# Altium PCB main - Copy.PcbDoc (part 5 of 14) (continued)
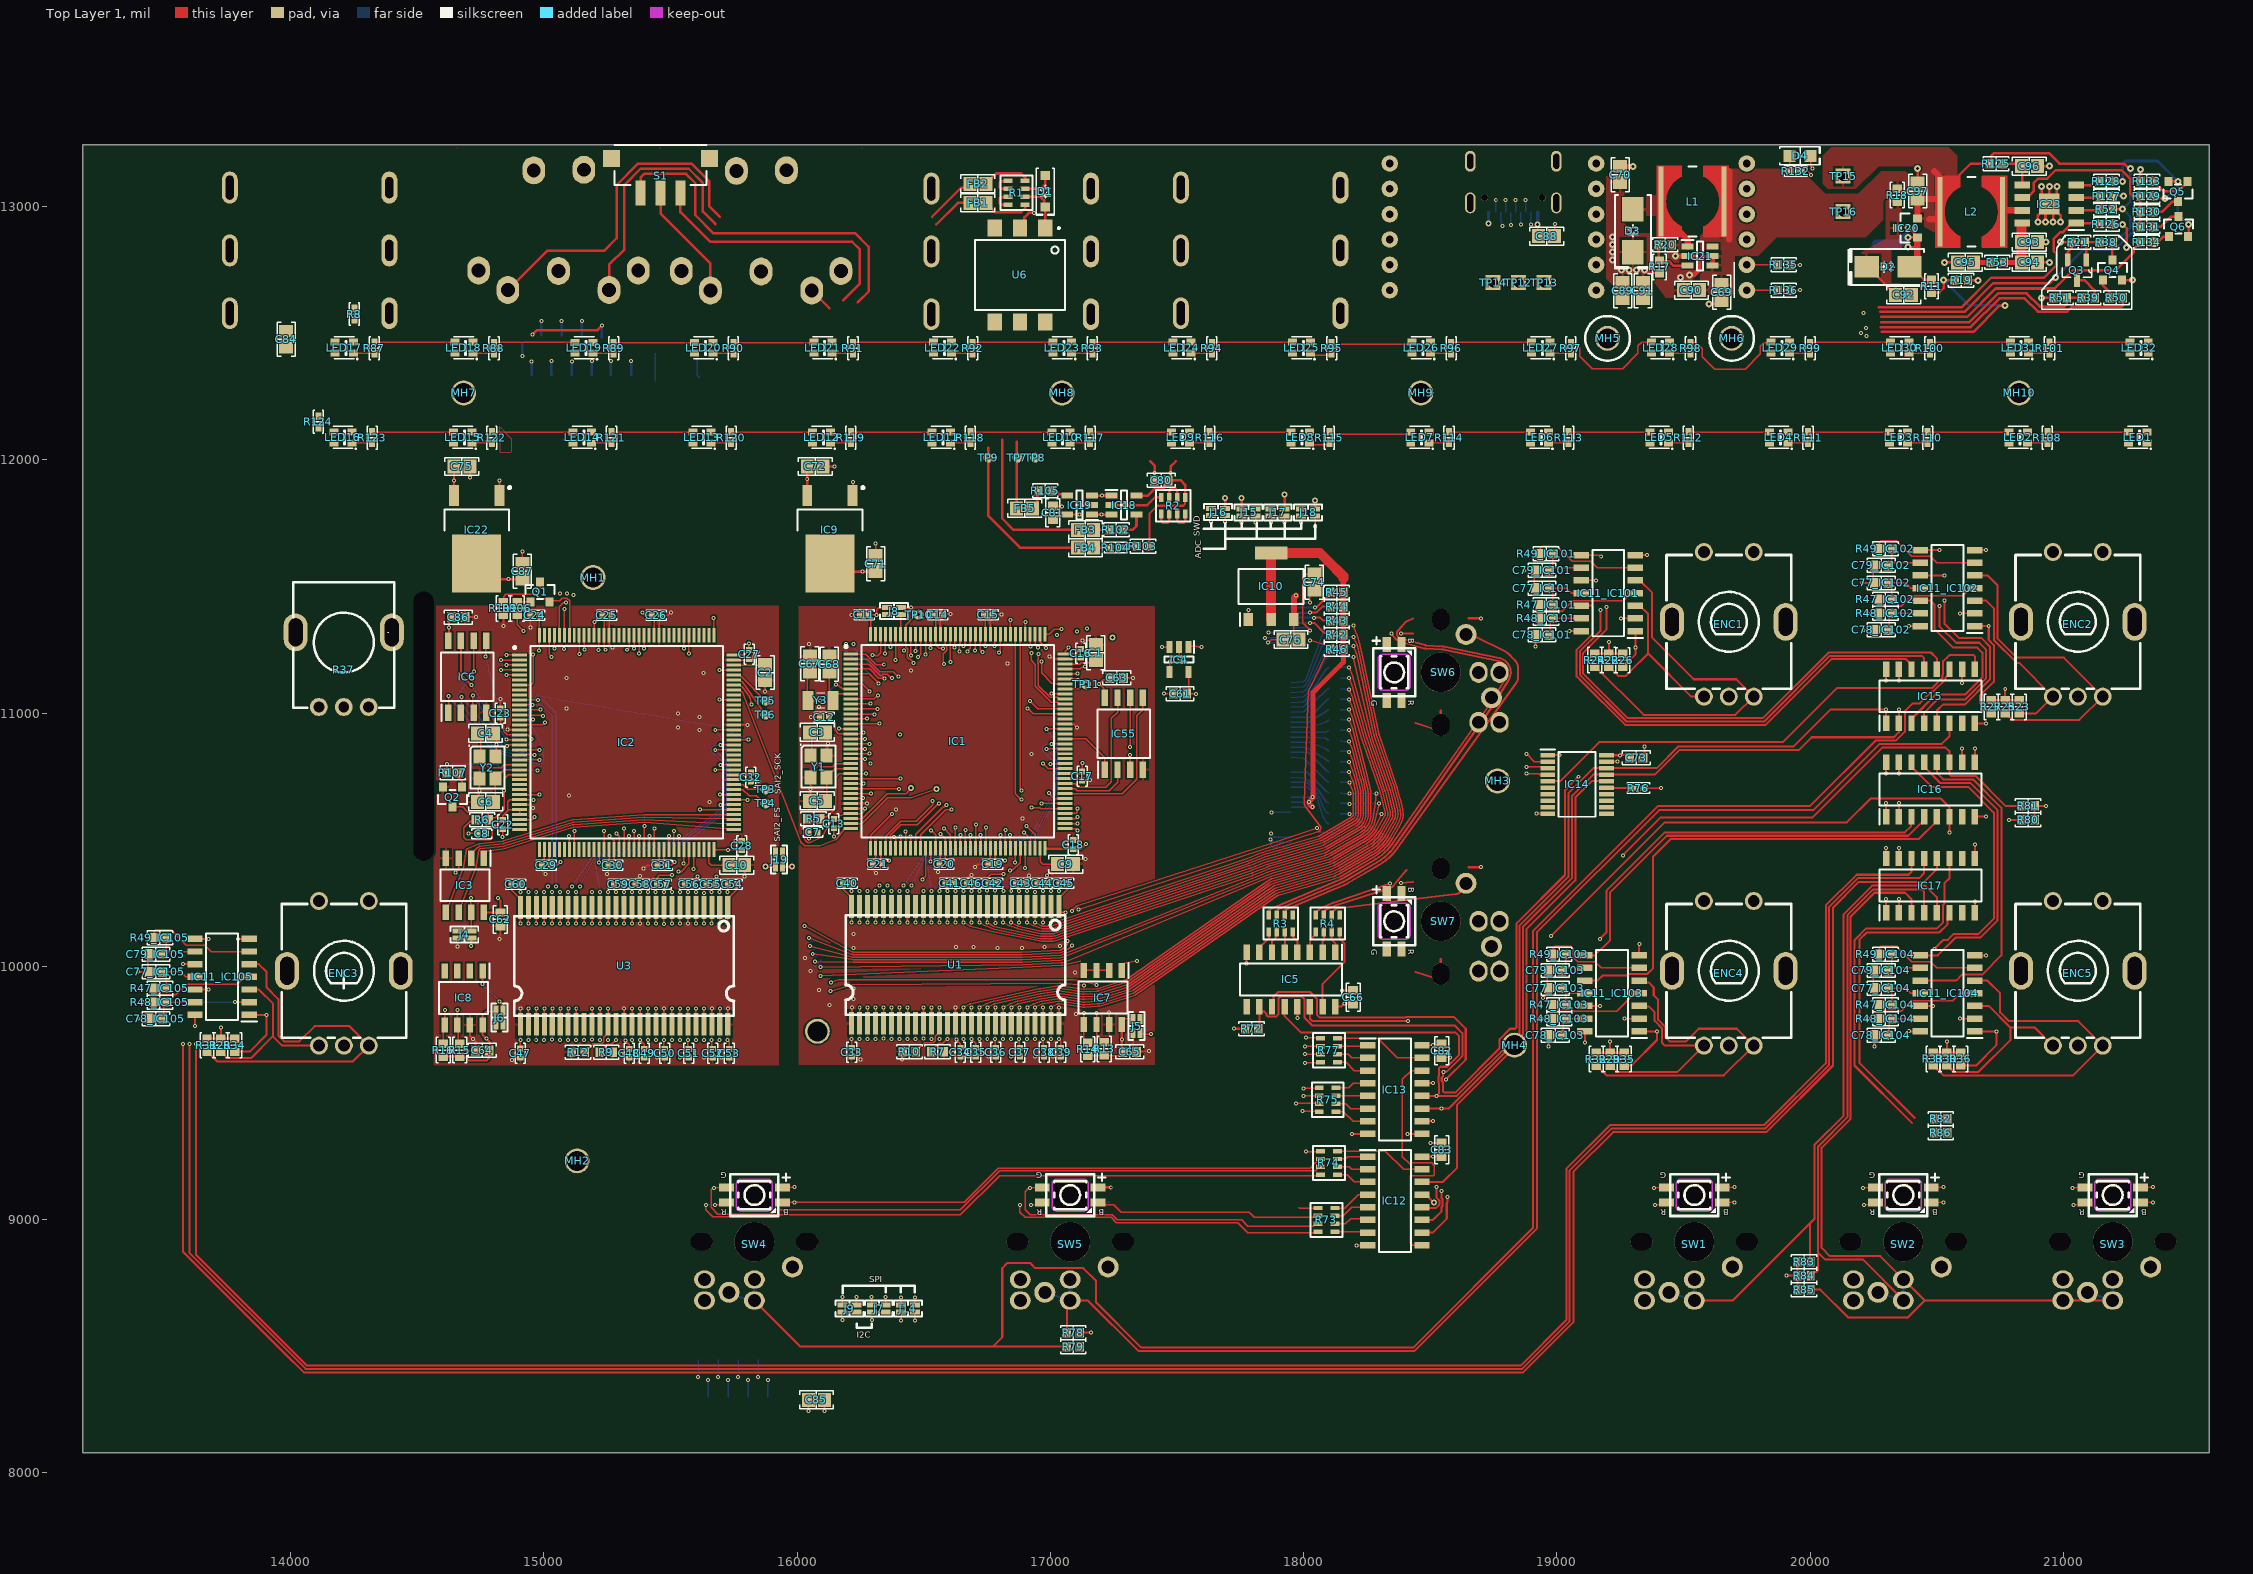
[diagram p0: Top Layer 1 view]
## Nets (pads, with @x,y where several pads share a name; then routed paths per layer and width w, separated by ;. In a path a pad name is that pad's centre, name@x,y a point inside that pad or via, vN(x,y) a via of type N, cw(c..) or ccw(c..) an arc to the next point about the centre after c; other vN are vias at no path point) (continued)
  Bottom 6+gnd w5: v1(14617.7,10798.29) 14814.28,10798.29 14838.75,10773.82 v1(14975,10773.82)
AUDIO_SWD.CLK_1: IC2.109 J15.1 J20.B8 | length 4560.9
  Top Layer 1 w5: v1(15670.35,11376.29) 15670.8,11375.84 15670.8,11307.83 IC2.109@15671.25,11307.38 ; v1@17755,11752.72 J15.1@17755,11778.82
  Unused w5: v1(17755.12,11752.6) 17781.42,11778.9 18463.98,11778.9 18590.37,11905.29 18590.37,12744.22 18689.39,12843.24 18689.39,12948.89 18756.42,13015.92 18756.42,13024.41 v1@18758.62,13026.61
  Layer 3 w5: v1(15670.35,11376.29) 15692.82,11353.82 16833.76,11353.82 16899.69,11287.89 17029.49,11287.89 17511.4,11769.8 17735.83,11769.8 17753.03,11752.6 v1(17755.12,11752.6)
  Bottom 6+gnd w5: J20.B8@18758.91,12978.4 v1@18758.91,13026.32
  other v1: 18758.48,13026.75
AUDIO_SWD.IO_1: IC2.105 J16.1 J20.B7 | length 4729.9
  Top Layer 1 w5: v1(15693.33,11170.26) 15693.43,11170.16 15749.42,11170.16 IC2.105@15749.52,11170.06 ; J16.1@17634.88,11780.04 17634.88,11753.94 v1(17635,11753.82)
  Unused w5: v1(17635,11753.82) 17670.17,11788.98 18459.93,11788.98 18580.37,11909.43 18580.37,12748.36 18679.39,12847.38 18679.39,12953.03 18742.35,13015.99 18742.35,13032.37 18755.04,13045.05 18779.55,13045.05 v1(18797.85,13026.75)
  Layer 3 w5: v1(15693.33,11170.26) 15693.33,11327.15 15709.63,11343.44 16829.99,11343.44 16895.54,11277.89 17033.63,11277.89 17511.54,11755.81 17633.01,11755.81 v1(17635,11753.82)
  Bottom 6+gnd w5: J20.B7@18798.28,12978.4 v1@18798.28,13026.32
AUDIO_SWD.SWO_1: IC2.133 J20.B6 | length 5240.2
  Top Layer 1 w5: IC2.133@15198.81,11307.38 15198.81,11358 v1(15200,11359.19)
  Unused w5: v1(15200,11359.19) 15225.23,11359.19 15230.6,11353.82 16715.47,11353.82 16803.38,11265.91 16809.37,11265.91 16832.7,11242.58 16881.24,11242.58 16995,11128.82 17058.44,11128.82 17100.77,11171.15 17125.39,11171.15 17135.7,11160.83 17139.84,11160.83 17160,11180.99 17160,11188.82 17161.69,11190.51 17161.69,11298.26 17582.42,11718.99 18474.84,11718.99 18620.37,11864.51 18620.37,12731.79 18753.32,12864.75 18753.32,12927.96 18778.78,12953.43 18834.4,12953.43 v1(18857.77,12930.05)
  Bottom 6+gnd w5: v1@18857.34,12930.49 J20.B6@18857.34,12978.4
B_ENC1_1: IC11_IC101.8 IC15.13 | length 2174.1
  Top Layer 1 w5: IC11_IC101.8@19095.43,11623.82 19167.09,11623.82 19172.09,11618.82 v1(19175,11618.82)
  Top Layer 1 w8: v1(19171.97,11407.3) 19171.97,11324.92 19090.7,11243.65 19090.7,11150.93 19109.3,11132.33 19274.7,10966.93 19300.34,10966.93 19818.64,10966.93 20078.04,11226.33 20440,11226.33 20450,11216.33 IC15.13@20450,11173.82
  Layer 3 w5: v1(19171.97,11407.3) 19171.97,11615.79 v1(19175,11618.82)
B_ENC2_1: IC11_IC102.8 IC15.4 | length 1056
  Top Layer 1 w8: IC11_IC102.8@20435,11643.82 v1(20510,11643.82) ; IC15.4@20450,10959.25 20450,11002.33 20501.49,11053.82 20611.55,11053.82 20695,11137.27 20695,11250.79 20667.9,11277.89 20575.93,11277.89 20510,11343.82 v1(20510,11423.82)
  Layer 3 w8: v1(20510,11423.82) v1(20510,11643.82)
B_ENC3_1: IC11_IC103.8 IC16.4 | length 1687.1
  Top Layer 1 w8: IC11_IC103.8@19110.43,10043.82 19150,10043.82 19210,10103.82 19210,10292.1 19433.77,10515.88 20386.65,10515.88 20435.8,10565.02 20441.2,10565.02 20450,10573.82 IC16.4@20450,10591.53
B_ENC4_1: IC11_IC104.8 IC16.13 | length 1175.7
  Top Layer 1 w8: IC11_IC104.8@20435,10043.82 20503.79,10043.82 20573.79,10113.82 20671.21,10113.82 20740,10182.61 20740,10617.14 20633.32,10723.82 20514.57,10723.82 20450,10788.39 IC16.13@20450,10806.1
B_ENC5_1: IC11_IC105.8 IC17.13 | length 9944.4
  Top Layer 1 w8: v1(13600.75,9693.82) 13600.75,8869.69 14059.62,8410.82 18862.38,8410.82 19050,8598.43 19050,9195.03 19215.79,9360.82 19823.62,9360.82 20075,9612.2 20075,10235.43 20188.38,10348.82 20430,10348.82 20450,10368.82 IC17.13@20450,10426.1 ; IC11_IC105.8@13622.72,10108.82 v1(13675,10108.82)
  Layer 2 w8: v1(13600.75,9693.82) 13600.75,10034.57 v1(13675,10108.82)
BA0_6: IC1.89 U1.20 U2.20 | length 2533.8
  Top Layer 1 w5: v1(16435.78,10174.13) U1.20@16435.78,10235.97 ; v1@16436.02,10174.38 U1.20@16436.02,10236.22 ; v1@16985.16,10859.29 IC1.89@17057.76,10859.29
  Layer 3 w5: v1(16435.78,9713.5) 16435.78,9805.11 cw(c16440.78,9805.12) 16437.22,9808.63 16450.44,9821.89 ; v1(16435.78,10174.13) ccw(c16440.74,10174.74) 16436.75,10171.73 16450.9,10152.93 ; v1@16435.78,10176.85 16435.78,10175.35 cw(c16440.74,10174.74) 16437.18,10178.25 16450.44,10191.56 ccw(c16446.9,10195.09) 16451.9,10195 ; 16451.9,9825.38 16451.9,10150.02 ; 16451.9,10195.04 v1@16451.9,10316.84 ; 16450.44,9821.89 ccw(c16446.9,9825.42) 16451.9,9825.33 ; 16450.44,9821.89 ccw(c16446.9,9825.42) 16451.9,9825.33 ; 16450.44,9821.89 ccw(c16446.9,9825.42) 16451.9,9825.33 ; 16450.44,9821.89 ccw(c16446.9,9825.42) 16451.9,9825.33 ; 16450.44,9821.89 ccw(c16446.9,9825.42) 16451.9,9825.33 ; 16450.44,9821.89 ccw(c16446.9,9825.42) 16451.9,9825.33 ; 16450.44,9821.89 ccw(c16446.9,9825.42) 16451.9,9825.33 ; 16450.44,9821.89 ccw(c16446.9,9825.42) 16451.9,9825.33 ; 16450.44,9821.89 ccw(c16446.9,9825.42) 16451.9,9825.33 ; 16450.44,9821.89 ccw(c16446.9,9825.42) 16451.9,9825.33 ; 16450.44,9821.89 ccw(c16446.9,9825.42) 16451.9,9825.33 ; 16450.44,9821.89 ccw(c16446.9,9825.42) 16451.9,9825.33 ; 16450.44,9821.89 ccw(c16446.9,9825.42) 16451.9,9825.33 ; 16450.44,9821.89 ccw(c16446.9,9825.42) 16451.9,9825.33 ; 16450.44,9821.89 ccw(c16446.9,9825.42) 16451.9,9825.33 ; 16450.44,9821.89 ccw(c16446.9,9825.42) 16451.9,9825.33 ; 16450.9,10152.94 cw(c16446.9,10149.93) 16451.9,10150.02 ; 16450.9,10152.94 cw(c16446.9,10149.93) 16451.9,10150.02 ; 16450.9,10152.94 cw(c16446.9,10149.93) 16451.9,10150.02 ; 16450.9,10152.94 cw(c16446.9,10149.93) 16451.9,10150.02 ; 16450.9,10152.94 cw(c16446.9,10149.93) 16451.9,10150.02 ; 16450.9,10152.94 cw(c16446.9,10149.93) 16451.9,10150.02 ; 16450.9,10152.94 cw(c16446.9,10149.93) 16451.9,10150.02 ; 16450.9,10152.94 cw(c16446.9,10149.93) 16451.9,10150.02 ; 16450.9,10152.94 cw(c16446.9,10149.93) 16451.9,10150.02 ; 16450.9,10152.94 cw(c16446.9,10149.93) 16451.9,10150.02 ; 16450.9,10152.94 cw(c16446.9,10149.93) 16451.9,10150.02 ; 16450.9,10152.94 cw(c16446.9,10149.93) 16451.9,10150.02 ; 16450.9,10152.94 cw(c16446.9,10149.93) 16451.9,10150.02 ; 16450.9,10152.94 cw(c16446.9,10149.93) 16451.9,10150.02 ; 16450.9,10152.94 cw(c16446.9,10149.93) 16451.9,10150.02 ; 16450.9,10152.94 cw(c16446.9,10149.93) 16451.9,10150.02
  Bottom 6+gnd w5: v1@16436.02,9713.75 U2.20@16436.02,9775.59 ; v1(16451.61,10320.11) 16504.1,10424.96 ; v1(16985.08,10859.21) 17020.46,10815.7 ; 16504.1,10424.96 cw(c16526.79,10413.6) 16523.38,10438.74 ; 16504.1,10424.96 cw(c16526.79,10413.6) 16523.38,10438.74 ; 16504.1,10424.96 cw(c16526.79,10413.6) 16523.38,10438.74 ; 16504.1,10424.96 cw(c16526.79,10413.6) 16523.38,10438.74 ; 16504.1,10424.96 cw(c16526.79,10413.6) 16523.38,10438.74 ; 16504.1,10424.96 cw(c16526.79,10413.6) 16523.38,10438.74 ; 16504.1,10424.96 cw(c16526.79,10413.6) 16523.38,10438.74 ; 16504.1,10424.96 cw(c16526.79,10413.6) 16523.38,10438.74 ; 16504.1,10424.96 cw(c16526.79,10413.6) 16523.38,10438.74 ; 16504.1,10424.96 cw(c16526.79,10413.6) 16523.38,10438.74 ; 16504.1,10424.96 cw(c16526.79,10413.6) 16523.38,10438.74 ; 16504.1,10424.96 cw(c16526.79,10413.6) 16523.38,10438.74 ; 16504.1,10424.96 cw(c16526.79,10413.6) 16523.38,10438.74 ; 16504.1,10424.96 cw(c16526.79,10413.6) 16523.38,10438.74 ; 16504.1,10424.96 cw(c16526.79,10413.6) 16523.38,10438.74 ; 16504.1,10424.96 cw(c16526.79,10413.6) 16523.38,10438.74 ; 16523.38,10438.74 16910.55,10492.07 ccw(c16907.09,10517.2) 16929.64,10505.57 17016.39,10673.8 ; 17016.39,10673.8 ccw(c16993.84,10685.43) 17019.16,10683.89 ; 17016.39,10673.8 ccw(c16993.84,10685.43) 17019.16,10683.89 ; 17016.39,10673.8 ccw(c16993.84,10685.43) 17019.16,10683.89 ; 17016.39,10673.8 ccw(c16993.84,10685.43) 17019.16,10683.89 ; 17016.39,10673.8 ccw(c16993.84,10685.43) 17019.16,10683.89 ; 17016.39,10673.8 ccw(c16993.84,10685.43) 17019.16,10683.89 ; 17016.39,10673.8 ccw(c16993.84,10685.43) 17019.16,10683.89 ; 17016.39,10673.8 ccw(c16993.84,10685.43) 17019.16,10683.89 ; 17016.39,10673.8 ccw(c16993.84,10685.43) 17019.16,10683.89 ; 17016.39,10673.8 ccw(c16993.84,10685.43) 17019.16,10683.89 ; 17016.39,10673.8 ccw(c16993.84,10685.43) 17019.16,10683.89 ; 17016.39,10673.8 ccw(c16993.84,10685.43) 17019.16,10683.89 ; 17016.39,10673.8 ccw(c16993.84,10685.43) 17019.16,10683.89 ; 17016.39,10673.8 ccw(c16993.84,10685.43) 17019.16,10683.89 ; 17016.39,10673.8 ccw(c16993.84,10685.43) 17019.16,10683.89 ; 17016.39,10673.8 ccw(c16993.84,10685.43) 17019.16,10683.89 ; 17019.16,10683.89 17026.1,10798.15 ; 17020.46,10815.7 cw(c17000.78,10799.69) 17026.1,10798.15 ; 17020.46,10815.7 cw(c17000.78,10799.69) 17026.1,10798.16 ; 17020.46,10815.7 cw(c17000.78,10799.69) 17026.1,10798.16 ; 17020.46,10815.7 cw(c17000.78,10799.69) 17026.1,10798.16 ; 17020.46,10815.7 cw(c17000.78,10799.69) 17026.1,10798.16
BA1_6: IC1.90 U1.21 U2.21 | length 2022.4
  Top Layer 1 w5: v1(16404.28,10174.13) U1.21@16404.28,10235.97 ; v1@16404.53,10174.38 U1.21@16404.53,10236.22 ; v1(17005.08,10878.44) 17005.34,10878.71 17057.49,10878.71 IC1.90@17057.6,10878.82
  Layer 3 w5: v1(16404.28,9713.5) 16404.28,9805.11 cw(c16409.28,9805.12) 16405.73,9808.63 16418.95,9821.89 ; v1(16404.28,10174.13) ccw(c16408.44,10176.92) 16404.37,10174.01 16419.48,10152.83 ; v1@16404.28,10179.83 16404.28,10179.7 cw(c16408.44,10176.92) 16404.86,10180.41 16418.95,10194.54 ; 16420.4,9825.38 16420.4,10150.02 ; v1@16420.4,10319.82 16420.4,10198.02 ; 16418.95,9821.89 ccw(c16415.4,9825.42) 16420.4,9825.33 ; 16418.95,9821.89 ccw(c16415.4,9825.42) 16420.4,9825.33 ; 16418.95,9821.89 ccw(c16415.4,9825.42) 16420.4,9825.33 ; 16418.95,9821.89 ccw(c16415.4,9825.42) 16420.4,9825.33 ; 16418.95,9821.89 ccw(c16415.4,9825.42) 16420.4,9825.33 ; 16418.95,9821.89 ccw(c16415.4,9825.42) 16420.4,9825.33 ; 16418.95,9821.89 ccw(c16415.4,9825.42) 16420.4,9825.33 ; 16418.95,9821.89 ccw(c16415.4,9825.42) 16420.4,9825.33 ; 16418.95,9821.89 ccw(c16415.4,9825.42) 16420.4,9825.33 ; 16418.95,9821.89 ccw(c16415.4,9825.42) 16420.4,9825.33 ; 16418.95,9821.89 ccw(c16415.4,9825.42) 16420.4,9825.33 ; 16418.95,9821.89 ccw(c16415.4,9825.42) 16420.4,9825.33 ; 16418.95,9821.89 ccw(c16415.4,9825.42) 16420.4,9825.33 ; 16418.95,9821.89 ccw(c16415.4,9825.42) 16420.4,9825.33 ; 16418.95,9821.89 ccw(c16415.4,9825.42) 16420.4,9825.33 ; 16418.95,9821.89 ccw(c16415.4,9825.42) 16420.4,9825.33 ; 16418.95,10194.54 ccw(c16415.4,10198.07) 16420.4,10197.98 ; 16418.95,10194.54 ccw(c16415.4,10198.07) 16420.4,10197.98 ; 16418.95,10194.54 ccw(c16415.4,10198.07) 16420.4,10197.98 ; 16418.95,10194.54 ccw(c16415.4,10198.07) 16420.4,10197.98 ; 16418.95,10194.54 ccw(c16415.4,10198.07) 16420.4,10197.98 ; 16418.95,10194.54 ccw(c16415.4,10198.07) 16420.4,10197.98 ; 16418.95,10194.54 ccw(c16415.4,10198.07) 16420.4,10197.98 ; 16418.95,10194.54 ccw(c16415.4,10198.07) 16420.4,10197.98 ; 16418.95,10194.54 ccw(c16415.4,10198.07) 16420.4,10197.98 ; 16418.95,10194.54 ccw(c16415.4,10198.07) 16420.4,10197.98 ; 16418.95,10194.54 ccw(c16415.4,10198.07) 16420.4,10197.98 ; 16418.95,10194.54 ccw(c16415.4,10198.07) 16420.4,10197.98 ; 16418.95,10194.54 ccw(c16415.4,10198.07) 16420.4,10197.98 ; 16418.95,10194.54 ccw(c16415.4,10198.07) 16420.4,10197.98 ; 16418.95,10194.54 ccw(c16415.4,10198.07) 16420.4,10197.98 ; 16418.95,10194.54 ccw(c16415.4,10198.07) 16420.4,10197.98 ; 16419.48,10152.83 cw(c16415.4,10149.93) 16420.4,10150.02 ; 16419.48,10152.83 cw(c16415.4,10149.93) 16420.4,10150.02 ; 16419.48,10152.83 cw(c16415.4,10149.93) 16420.4,10150.02 ; 16419.48,10152.83 cw(c16415.4,10149.93) 16420.4,10150.02 ; 16419.48,10152.83 cw(c16415.4,10149.93) 16420.4,10150.02 ; 16419.48,10152.83 cw(c16415.4,10149.93) 16420.4,10150.02 ; 16419.48,10152.83 cw(c16415.4,10149.93) 16420.4,10150.02 ; 16419.48,10152.83 cw(c16415.4,10149.93) 16420.4,10150.02 ; 16419.48,10152.83 cw(c16415.4,10149.93) 16420.4,10150.02 ; 16419.48,10152.83 cw(c16415.4,10149.93) 16420.4,10150.02 ; 16419.48,10152.83 cw(c16415.4,10149.93) 16420.4,10150.02 ; 16419.48,10152.83 cw(c16415.4,10149.93) 16420.4,10150.02 ; 16419.48,10152.83 cw(c16415.4,10149.93) 16420.4,10150.02 ; 16419.48,10152.83 cw(c16415.4,10149.93) 16420.4,10150.02 ; 16419.48,10152.83 cw(c16415.4,10149.93) 16420.4,10150.02 ; 16419.48,10152.83 cw(c16415.4,10149.93) 16420.4,10150.02
  Bottom 6+gnd w5: v1@16404.53,9713.75 U2.21@16404.53,9775.59 ; v1(16420.12,10320.11) 16497.57,10433.55 cw(c16526.79,10413.6) 16521.96,10448.64 16909.18,10501.97 ccw(c16907.09,10517.2) 16920.75,10510.16 17007.5,10678.38 ccw(c16993.84,10685.43) 17009.18,10684.49 17016.12,10798.76 ccw(c17000.78,10799.69) 17011.7,10810.51 16974.16,10848.39 cw(c16985.08,10859.21) 16982.26,10874.33 ; 16982.26,10874.32 v1@17005.05,10878.58 ; v1(17005.08,10878.44) v1@17005.08,10878.55
BA01_7: IC2.89 U3.20 U4.20 | length 2319.1
  Top Layer 1 w5: v1@15127.72,10170.19 U3.20@15127.72,10232.03 ; v1@15676.86,10855.1 IC2.89@15749.52,10855.1
  Layer 3 w5: v1(15127.48,9709.47) 15127.48,9803 15143.6,9819.12 15143.6,10147.74 15142.38,10149.03 15128.45,10167.54 cw(c15132.44,10170.55) v1(15127.48,10169.94) ; v1@15127.48,10171.16 cw(c15132.44,10170.55) 15128.88,10174.06 15142.14,10187.37 ccw(c15138.6,10190.9) 15143.6,10190.81 ; 15143.6,10190.85 v1@15143.6,10312.65
  Bottom 6+gnd w5: v1(15127.48,9709.47) 15127.48,9771.15 U4.20@15127.72,9771.4 ; v1@15143.07,10316.17 v1(15143.31,10315.92) 15195.8,10420.77 cw(c15218.49,10409.41) 15214.27,10434.43 15537.41,10489.38 ; v1@15676.53,10855.27 v1(15676.78,10855.02) 15715.48,10812.8 ; 15537.41,10489.38 ccw(c15533.16,10514.39) 15548.47,10494.16 ; 15537.41,10489.38 ccw(c15533.16,10514.39) 15548.47,10494.16 ; 15537.41,10489.38 ccw(c15533.16,10514.39) 15548.47,10494.16 ; 15537.41,10489.38 ccw(c15533.16,10514.39) 15548.47,10494.16 ; 15537.41,10489.38 ccw(c15533.16,10514.39) 15548.47,10494.16 ; 15537.41,10489.38 ccw(c15533.16,10514.39) 15548.47,10494.16 ; 15537.41,10489.38 ccw(c15533.16,10514.39) 15548.47,10494.16 ; 15537.41,10489.38 ccw(c15533.16,10514.39) 15548.47,10494.16 ; 15537.41,10489.38 ccw(c15533.16,10514.39) 15548.47,10494.16 ; 15537.41,10489.38 ccw(c15533.16,10514.39) 15548.47,10494.16 ; 15537.41,10489.38 ccw(c15533.16,10514.39) 15548.47,10494.16 ; 15537.41,10489.38 ccw(c15533.16,10514.39) 15548.47,10494.16 ; 15537.41,10489.38 ccw(c15533.16,10514.39) 15548.47,10494.16 ; 15537.41,10489.38 ccw(c15533.16,10514.39) 15548.47,10494.16 ; 15537.41,10489.38 ccw(c15533.16,10514.39) 15548.47,10494.16 ; 15537.41,10489.38 ccw(c15533.16,10514.39) 15548.47,10494.16 ; 15548.47,10494.16 15712.09,10617.94 ; 15712.09,10617.94 ccw(c15696.78,10638.17) 15722.15,10638.17 ; 15712.09,10617.94 ccw(c15696.78,10638.17) 15722.15,10638.17 ; 15712.09,10617.94 ccw(c15696.78,10638.17) 15722.15,10638.17 ; 15712.09,10617.94 ccw(c15696.78,10638.17) 15722.15,10638.17 ; 15712.09,10617.94 ccw(c15696.78,10638.17) 15722.15,10638.17 ; 15715.48,10812.8 cw(c15696.78,10795.65) 15722.15,10795.65 ; 15715.48,10812.8 cw(c15696.78,10795.65) 15722.15,10795.65 ; 15715.48,10812.8 cw(c15696.78,10795.65) 15722.15,10795.65 ; 15715.48,10812.8 cw(c15696.78,10795.65) 15722.15,10795.65 ; 15715.48,10812.8 cw(c15696.78,10795.65) 15722.15,10795.65 ; 15715.48,10812.8 cw(c15696.78,10795.65) 15722.15,10795.65 ; 15715.48,10812.8 cw(c15696.78,10795.65) 15722.15,10795.65 ; 15715.48,10812.8 cw(c15696.78,10795.65) 15722.15,10795.65 ; 15715.48,10812.8 cw(c15696.78,10795.65) 15722.15,10795.65 ; 15715.48,10812.8 cw(c15696.78,10795.65) 15722.15,10795.65 ; 15715.48,10812.8 cw(c15696.78,10795.65) 15722.15,10795.65 ; 15715.48,10812.8 cw(c15696.78,10795.65) 15722.15,10795.65 ; 15715.48,10812.8 cw(c15696.78,10795.65) 15722.15,10795.65 ; 15715.48,10812.8 cw(c15696.78,10795.65) 15722.15,10795.65 ; 15715.48,10812.8 cw(c15696.78,10795.65) 15722.15,10795.65 ; 15715.48,10812.8 cw(c15696.78,10795.65) 15722.15,10795.65 ; 15722.15,10638.17 15722.15,10795.65
BA11_7: IC2.90 U3.21 U4.21 | length 2339
  Top Layer 1 w5: v1@15096.23,10170.19 U3.21@15096.23,10232.03 ; v1@15697.01,10874.63 IC2.90@15749.3,10874.63
  Layer 3 w5: v1(15095.98,9709.47) 15095.98,9803 15112.1,9819.12 15112.1,10147.71 15110.93,10148.98 15096.07,10169.82 cw(c15100.14,10172.73) v1(15095.98,10169.94) ; v1@15095.98,10175.64 15095.98,10175.51 cw(c15100.14,10172.73) 15096.56,10176.22 15110.65,10190.35 ; 15112.1,10193.83 v1@15112.1,10315.63 ; 15110.65,10190.35 ccw(c15107.1,10193.88) 15112.1,10193.79 ; 15110.65,10190.35 ccw(c15107.1,10193.88) 15112.1,10193.79 ; 15110.65,10190.35 ccw(c15107.1,10193.88) 15112.1,10193.79 ; 15110.65,10190.35 ccw(c15107.1,10193.88) 15112.1,10193.79 ; 15110.65,10190.35 ccw(c15107.1,10193.88) 15112.1,10193.79 ; 15110.65,10190.35 ccw(c15107.1,10193.88) 15112.1,10193.79 ; 15110.65,10190.35 ccw(c15107.1,10193.88) 15112.1,10193.79 ; 15110.65,10190.35 ccw(c15107.1,10193.88) 15112.1,10193.79 ; 15110.65,10190.35 ccw(c15107.1,10193.88) 15112.1,10193.79 ; 15110.65,10190.35 ccw(c15107.1,10193.88) 15112.1,10193.79 ; 15110.65,10190.35 ccw(c15107.1,10193.88) 15112.1,10193.79 ; 15110.65,10190.35 ccw(c15107.1,10193.88) 15112.1,10193.79 ; 15110.65,10190.35 ccw(c15107.1,10193.88) 15112.1,10193.79 ; 15110.65,10190.35 ccw(c15107.1,10193.88) 15112.1,10193.79 ; 15110.65,10190.35 ccw(c15107.1,10193.88) 15112.1,10193.79 ; 15110.65,10190.35 ccw(c15107.1,10193.88) 15112.1,10193.79
  Bottom 6+gnd w5: v1(15095.98,9709.47) 15095.98,9771.15 U4.21@15096.23,9771.4 ; v1@15111.57,10316.17 v1(15111.82,10315.92) 15189.27,10429.36 ; v1@15696.53,10874.64 v1(15696.78,10874.39) 15673.96,10870.13 ccw(c15676.78,10855.02) 15666.49,10843.6 15707.06,10807.08 cw(c15696.78,10795.65) 15712.15,10795.65 15712.15,10638.17 ; 15189.27,10429.36 cw(c15218.49,10409.41) 15212.56,10444.28 ; 15189.27,10429.36 cw(c15218.49,10409.41) 15212.56,10444.28 ; 15189.27,10429.36 cw(c15218.49,10409.41) 15212.56,10444.28 ; 15189.27,10429.36 cw(c15218.49,10409.41) 15212.56,10444.28 ; 15189.27,10429.36 cw(c15218.49,10409.41) 15212.56,10444.28 ; 15189.27,10429.36 cw(c15218.49,10409.41) 15212.56,10444.28 ; 15189.27,10429.36 cw(c15218.49,10409.41) 15212.56,10444.28 ; 15189.27,10429.36 cw(c15218.49,10409.41) 15212.56,10444.28 ; 15189.27,10429.36 cw(c15218.49,10409.41) 15212.56,10444.28 ; 15189.27,10429.36 cw(c15218.49,10409.41) 15212.56,10444.28 ; 15189.27,10429.36 cw(c15218.49,10409.41) 15212.56,10444.28 ; 15189.27,10429.36 cw(c15218.49,10409.41) 15212.56,10444.28 ; 15189.27,10429.36 cw(c15218.49,10409.41) 15212.56,10444.28 ; 15189.27,10429.36 cw(c15218.49,10409.41) 15212.56,10444.28 ; 15189.27,10429.36 cw(c15218.49,10409.41) 15212.56,10444.28 ; 15189.27,10429.36 cw(c15218.49,10409.41) 15212.56,10444.28 ; 15212.56,10444.28 15535.73,10499.24 ccw(c15533.16,10514.39) 15542.43,10502.13 15706.05,10625.91 ; 15706.05,10625.91 ccw(c15696.78,10638.17) 15712.15,10638.17 ; 15706.06,10625.92 ccw(c15696.78,10638.17) 15712.15,10638.17 ; 15706.06,10625.92 ccw(c15696.78,10638.17) 15712.15,10638.17 ; 15706.06,10625.92 ccw(c15696.78,10638.17) 15712.15,10638.17 ; 15706.06,10625.92 ccw(c15696.78,10638.17) 15712.15,10638.17
BTN_1_1: IC11_IC101.12 IC15.14 | length 1885.5
  Top Layer 1 w8: IC11_IC101.12@19095.85,11424.24 19137.94,11424.24 19142.63,11419.55 19142.63,11314.98 19077.7,11250.05 19077.7,11145.55 19096.3,11126.95 19269.32,10953.93 19294.96,10953.93 19824.02,10953.93 20083.43,11213.33 20378.2,11213.33 20400,11191.54 IC15.14@20400,11173.82
BTN_1_N: IC15.6 R78.1 SW5.S2 | length 5618.6
  Top Layer 1 w8: R78.1@17065,8550.61 17065,8667.78 SW5.S2@17078.06,8680.84 17147.98,8680.84 17347,8481.82 18438,8481.82 18920.7,8964.52 18920.7,10134.12 19403.4,10616.82 20012.01,10616.82 20273.92,10878.73 20519.91,10878.73 20550,10908.82 IC15.6@20550,10959.25
  Bottom 6+gnd w10: SW5.S2@16978.06,8713.12 SW5.S2@17078.06,8680.84 SW5.S2@17078.06,8763.52
BTN_2_1: IC11_IC102.12 IC15.3 | length 849.2
  Top Layer 1 w8: IC15.3@20400,10959.25 20400,10976.97 20496.85,11073.82 20613.17,11073.82 20680,11140.65 20680,11238.82 20660,11258.82 20565,11258.82 20490,11333.82 20490,11428.82 20475,11443.82 IC11_IC102.12@20435,11443.82
BTN_3_1: IC11_IC103.12 IC16.3 | length 1872.2
  Top Layer 1 w8: IC11_IC103.12@19110.43,9843.82 v1(19170,9843.82) ; v1(19170,10108.82) 19195,10133.82 19195,10298.32 19425.56,10528.88 20373.78,10528.88 20398.61,10553.71 20398.61,10590.15 IC16.3@20400,10591.53
  Layer 3 w8: v1(19170,9843.82) v1(19170,10108.82)
BTN_4_1: IC11_IC104.12 IC16.14 | length 1398
  Top Layer 1 w8: IC16.14@20400,10806.1 20400,10788.39 20479.57,10708.82 20623.54,10708.82 20725,10607.36 20725,10188.82 20665,10128.82 20567.57,10128.82 20543.79,10105.03 20526.21,10105.03 v1(20490,10068.82) ; IC11_IC104.12@20435,9843.82 v1(20485,9843.82)
  Layer 3 w8: v1(20485,9843.82) 20485,10061.72 20490,10066.72 v1(20490,10068.82)
BTN_5_1: IC11_IC105.12 IC17.14 | length 9648.6
  Top Layer 1 w8: IC11_IC105.12@13622.72,9908.82 v1(13675,9908.82) ; v1(13626.5,9693.82) 13626.5,8862.32 14065,8423.82 18857,8423.82 19037,8603.82 19037,9200.42 19210.4,9373.82 19818.23,9373.82 20062,9617.59 20062,10240.82 20183,10361.82 20388,10361.82 20400,10373.82 IC17.14@20400,10426.1
  Layer 2 w8: v1(13626.5,9693.82) 13626.5,9695.31 13675,9743.82 v1(13675,9908.82)
BTN_DN_1: IC16.6 R80.1 SW7.S2 | length 2997.8
  Top Layer 1 w8: 18441.34,9978.22 18541.34,9945.94 18541.34,10028.61 ; v1(18977.44,10120.5) 19425.76,10568.82 20145,10568.82 20240,10663.82 20320,10663.82 20320.84,10662.98 20515.84,10662.98 20549.46,10629.36 20549.46,10592.08 IC16.6@20550,10591.53 v1(20550,10528.82) ; v1(20785,10578.82) R80.1@20835,10578.82
  Layer 3 w8: 18541.34,9945.94 18802.12,9945.94 18976.68,10120.5 v1(18977.44,10120.5) ; v1(20550,10528.82) 20630,10448.82 20685,10448.82 20785,10548.82 v1(20785,10578.82)
BTN_FRONT: IC1.42 J3.1 | length 3028.1
  Top Layer 1 w5: v1(16383.05,10510.98) 16383.05,10508.6 16389.05,10502.6 16389.05,10466.17 IC1.42@16388.94,10466.06
  Unused w5: v1(15609.29,8378.94) 15516.26,8393.9 cw(c15517.05,8398.84) 15513.54,8395.28 15435,8473.82 15435,9283.82 15515,9363.82 15717.43,9363.82 15925,9571.39 15925,10198.86 16227.31,10501.17 16227.31,10531.51 16250.58,10554.78 16367.82,10554.78 16383.05,10539.56 v1(16383.05,10510.98)
  Bottom 6+gnd w5: v1(15609.29,8378.94) 15609.29,8394.49 15609.41,8394.61 J3.1@15609.41,8446.46
BTN_PLAY_1: IC17.4 R84.1 SW2.S2 | length 2524.6
  Top Layer 1 w8: R84.1@20001.18,8778.82 20001.18,8780.12 20013.91,8792.85 20023.55,8792.85 20031.23,8800.53 20031.23,8869.87 ; 20030.85,8939.59 20030.85,9288.45 20147,9404.61 20147,10202.43 20248.38,10303.82 20440,10303.82 20450,10293.82 IC17.4@20450,10211.53 ; 20031.23,8939.2 20031.23,8869.87 ; SW2.S2@20367.72,8680.84 20367.72,8682.94 20207.39,8843.28 20057.82,8843.28 20031.23,8869.87
  Bottom 6+gnd w10: SW2.S2@20267.72,8713.12 SW2.S2@20367.72,8680.84 SW2.S2@20367.72,8763.52
BTN_REC_1: IC17.5 R83.1 SW1.S2 | length 2694.4
  Top Layer 1 w8: SW1.S2@19542.61,8680.84 19694.02,8680.84 20000,8986.82 ; R83.1@20001.18,8833.82 20000,8835 20000,8986.82 ; 20017,9003.82 20000,8986.82 ; 20017.85,9003.82 20017.85,9296.67 20132,9410.82 20132,10205.82 20245,10318.82 20455,10318.82 20500,10273.82 IC17.5@20500,10211.53
  Bottom 6+gnd w10: SW1.S2@19442.61,8713.12 SW1.S2@19542.61,8680.84 SW1.S2@19542.61,8763.52
BTN_STOP_1: IC17.3 R85.1 SW3.S2 | length 3647.3
  Top Layer 1 w8: R85.1@20001.18,8723.82 20040,8723.82 20150,8613.82 20385.37,8613.82 20452.39,8680.84 ; IC17.3@20400,10211.53 20400,10265.82 20375,10290.82 20253.77,10290.82 20160,10197.05 20160,9399.22 20045,9284.22 20045,8888.82 20077.54,8856.28 20276.62,8856.28 20452.06,8680.84 SW3.S2@21194.5,8680.84
  Bottom 6+gnd w10: SW3.S2@21094.5,8713.12 SW3.S2@21194.5,8680.84 SW3.S2@21194.5,8763.52
BTN_UP_1: IC16.11 R81.1 SW6.S2 | length 3050.3
  Top Layer 1 w8: 18441.34,10960.81 18541.34,10928.53 18541.34,11011.21 ; v1(19260,10438.82) 19410,10588.82 20010,10588.82 20285,10863.82 20535,10863.82 20550,10848.82 IC16.11@20550,10806.1 20550,10758.82 20557,10751.82 20652.92,10751.82 20770.92,10633.82 R81.1@20825,10633.82
  Layer 3 w8: 18541.34,10928.53 18541.34,10842.48 18795,10588.82 18911.14,10588.82 18913.01,10586.94 18926.99,10586.94 18928.86,10588.82 19110,10588.82 v1(19260,10438.82)
BTN_Y_1: IC15.11 R79.1 SW4.S2 | length 7595.6
  Top Layer 1 w8: SW4.S2@15831.38,8680.84 16013.4,8498.82 16772.64,8498.82 ; 17044.41,8498.82 16772.64,8498.82 ; IC15.11@20550,11173.82 20550,11156.1 20534.8,11140.9 20534.8,11134.19 20486.42,11085.82 20479.72,11085.82 20432.72,11038.82 20405,11038.82 20375,11008.82 20375,10928.22 20338.51,10891.73 20257.91,10891.73 20000,10633.82 19400,10633.82 18905,10138.82 18905,8967.2 18432.62,8494.82 17359,8494.82 17180.97,8672.84 17180.97,8757.84 17130,8808.82 16940,8808.82 16920,8828.82 16830,8828.82 16810,8808.82 16810,8536.18 16772.64,8498.82
  Bottom 6+gnd w10: SW4.S2@15730,8708.42 15830,8676.14 SW4.S2@15830,8758.82
CHARGE_STATUS: IC1.134 IC23.1 R126.1 R132.2 | length 6697.5
  Top Layer 1 w5: v1(16476.56,11221.38) 16487.36,11232.18 IC1.134@16487.36,11311.57 ; R132.2@19965.28,13140 19990.5,13140 20004.12,13126.37 v1(20004.12,13124.93)
  Top Layer 1 w10: 20271.08,12603.43 20598.56,12603.43 20714.13,12719.01 20922.31,12719.01 20971.8,12768.49 20971.8,12814.72 20961.24,12825.28 20961.24,12871.51 20988.59,12898.86 20998.41,12898.86 21034.55,12935 IC23.1@21050.79,12935 21139.02,12935 R126.1@21144.02,12930
  Unused w5: v1(16476.56,11221.38) 16523.67,11174.27 16792.54,11174.27 16808,11158.82 16873.89,11158.82 16995.94,11036.77 17030.34,11036.77 17074.19,10992.91 17132.63,10992.91 17228,11088.28 17228,11193.54 17659.85,11625.39 18914.86,11625.39 18983.28,11693.82 19438.28,11693.82 19512.91,11768.44 19896.73,11768.44 20090,11961.72 20090,12460.03 v1(20210,12580) ; v1(20004.12,13124.93) 20004.12,12785.88 v1(20210,12580)
CHR1: IC1.129 R133.1 | length 6163
  Top Layer 1 w5: v1(16580.55,11194.81) 16578.49,11196.87 16578.49,11201.01 16577.87,11201.63 16577.87,11235.25 16591.46,11248.84 16591.46,11261.57 16585.79,11267.24 IC1.129@16585.79,11311.57
  Top Layer 1 w10: 20276.92,12584.16 20608.99,12584.16 20722.03,12697.2 20946.22,12697.2 v2(20969.02,12720) ; v2(21303.47,13145.76) 21303.47,13100.54 R133.1@21304.02,13100
  Unused w5: v1(16580.55,11194.81) 16580.55,11193.96 16590.23,11184.27 16796.68,11184.27 16812.14,11168.82 16878.03,11168.82 17000.08,11046.77 17034.48,11046.77 17078.33,11002.91 17128.49,11002.91 17218,11092.42 17218,11197.68 17655.7,11635.39 18910.71,11635.39 18979.14,11703.82 19434.14,11703.82 19508.77,11778.44 19892.59,11778.44 20080,11965.86 20080,12464.17 20127.92,12512.08
  Bottom 6+gnd w10: v2(20969.02,12720) 21079.02,12830 21202.72,12830 21303.47,12930.75 v2(21303.47,13145.76)
CHR2: IC1.128 R134.1 | length 5834.1
  Top Layer 1 w5: IC1.128@16605.47,11311.57 16605.47,11201.77 v1(16605.52,11201.72)
  Top Layer 1 w10: 20281.6,12564.3 20620.09,12564.3 20732.36,12676.57 20964.88,12676.57 21007.44,12719.14 21007.44,12720.23 21036.59,12749.37 21072.59,12749.37 21207.28,12749.37 21277.36,12819.45 21277.36,12832.55 21302.83,12858.03 R134.1@21302.83,12860
  Unused w5: v1(16605.52,11201.72) 16606.02,11201.72 16613.47,11194.27 16801.56,11194.27 16817.02,11178.82 16882.17,11178.82 17004.22,11056.77 17038.62,11056.77 17082.47,11012.91 17124.35,11012.91 17208,11096.57 17208,11201.83 17651.56,11645.39 18906.57,11645.39 18975,11713.82 19430,11713.82 19504.63,11788.44 19888.44,11788.44 20070,11970 20070,12468.31 20120.84,12519.16
CLK_1: IC5.11 IC12.11 IC13.11 IC14.17 IC15.2 IC16.2 IC17.2 | length 5643.8
  Top Layer 1 w8: IC5.11@17875,9841.54 17880.54,9847.08 17880.54,9879.36 17900,9898.82 18025,9898.82 18053.2,9870.61 18053.2,9807.3 18061.68,9798.82 18403.68,9798.82 18405.22,9800.36 18586.54,9800.36 18586.69,9800.51 18593.31,9800.51 18640,9753.82 18640,9632.08 v1(18562.16,9554.24) ; IC12.11@18467.28,8998.82 18510,8998.82 18545,9033.82 18545,9049.66 18548.46,9053.12 18548.46,9081.13 18545,9084.59 18545,9113.82 v1(18545.15,9113.97) ; IC13.11@18467.28,9438.82 v1(18545,9438.82) 18573.38,9438.82 18865.99,9731.43 18865.99,10156.43 19060,10350.43 19060,10673.82 19143.39,10757.2 IC14.17@19195.67,10757.2 19386.77,10757.2 19483.38,10853.82 19955,10853.82 20005.91,10904.73 20330.91,10904.73 20350,10923.82 IC15.2@20350,10959.25 v1(20350,11013.82) ; IC17.2@20350,10211.53 v1(20350,10266.1) ; IC16.2@20350,10591.53 v1(20350,10646.1)
  Unused w8: v1(18545,9438.82) 18560.6,9454.41 18560.6,9530.37 18562.16,9531.93 v1(18562.16,9554.24)
  Layer 3 w8: v1(18545,9438.82) 18545.07,9438.75 v1(18545.15,9113.97) v1(18545.15,9113.97) ; v1(20350,10266.1) v1(20350,10646.1) v1(20350,11013.82)